# Altium PCB (Poly)TC364_MainBoard_PCB_V1.3.PcbDoc (continued)
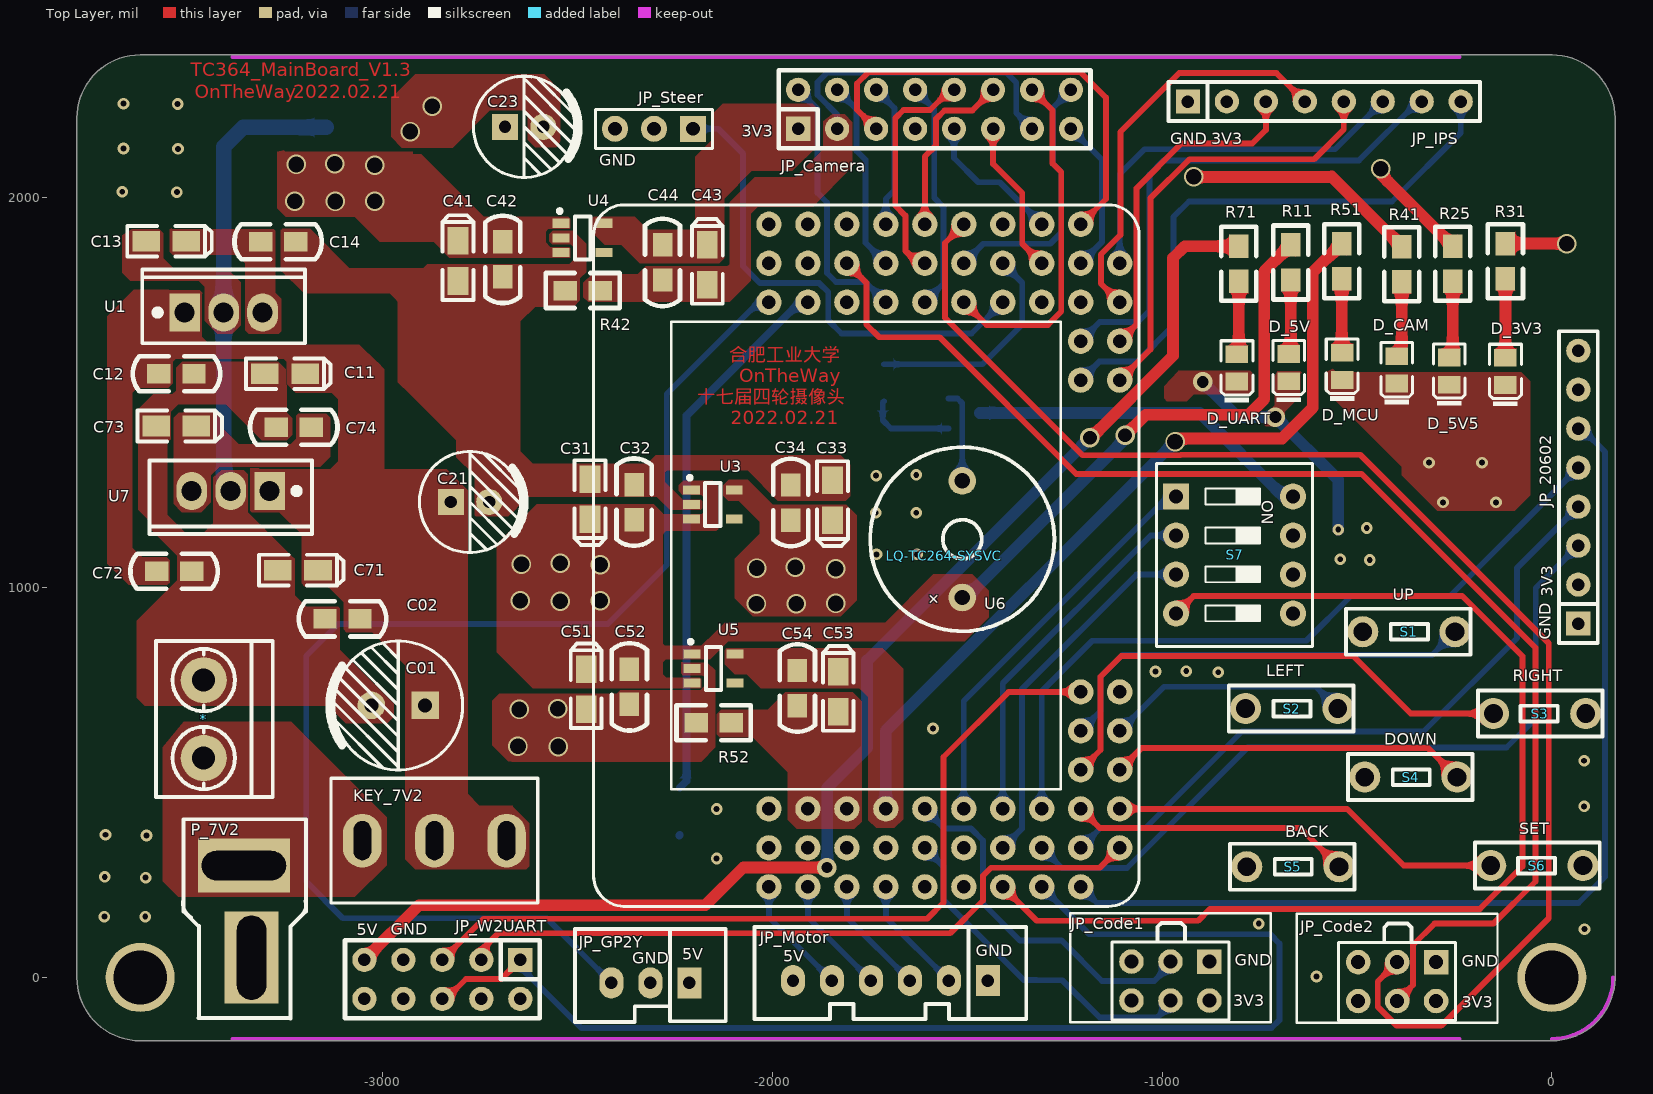
[diagram p0: Top Layer view]
## Nets (pads, with @x,y where several pads share a name; then routed paths per layer and width w, separated by ;. In a path a pad name is that pad's centre, name@x,y a point inside that pad or via, vN(x,y) a via of type N, cw(c..) or ccw(c..) an arc to the next point about the centre after c; other vN are vias at no path point)
AN44: JP_GP2Y.3 LQ-TC264-SYSVC.114 | length 3290.9
  Bottom Layer w15: JP_GP2Y.3 -2579,152 -3102,152 -3196,246 -3196,825 -3114,907 -2422.26,907 -2271,1058.26 -2271,1497 -2035.48,1732.52 LQ-TC264-SYSVC.114 LQ-TC264-SYSVC.114@-2007.74,1732.52
AN47: C03.1 LQ-TC264-SYSVC.111 R01.1 R02.2 | length 1395.8
  Bottom Layer w20: C03.1@-2238.74,364.52 C03.1 ; R02.2 -2220,504.26 -2220,1442 -1929.48,1732.52 LQ-TC264-SYSVC.111
GND: *.2 C01.2 C02.2 C03.2 C11.2 C12.2 C13.2 C14.2 C21.2 C22.2 C31.2 C32.2 C33.2 C34.2 C41.2 C42.2 C51.2 C52.2 C71.2 C72.2 C73.2 C74.2 D_3V3.K D_5V5.K D_5V.K D_CAM.K D_MCU.K D_UART.K JP_20602.1 JP_Code1.1 JP_Code2.1 JP_GP2Y.2 JP_IPS.1 JP_Motor.1 JP_W2UART.7 JP_W2UART.8 P_7V2.1 Q1.3 R02.1 R26.2 R42.2 R52.2 S1.2 S2.2 S3.2 S4.2 S5.2 S6.2 S7.5 S7.6 S7.7 S7.8 U1.2 U2.7 U2.8 U3.2 U4.2 U5.2 U7.2 | length 2646.7
  Bottom Layer w30: Q1.3 -903.52,1448.52 -689,1234 S7.8 ; v3(-896,1528) -806,1438 v3(-709,1438) -548,1277 v1(-548,1149)
  Bottom Layer w40: U7.2 -3408,1266 U1.2 -3408,2131 -3358,2181 R26.2
  other v1: -603.74,2.52 84,124 -752,138 -3714,156 -3609,156 -3608,256 -3713,258 -2143,305 -3606,364 -3711,366 -2143,432 83,439 83,556 -1587.74,638.52 -856,783 -1017,785 -938,786 -467,1071 -543,1073 -1732.74,1085.52 -1628.74,1085.52 -475,1153 -1734.74,1192.52 -1630.74,1192.52 -279,1219 -143,1219 -1733.74,1287.52 -1630.74,1289.52 -315,1321 -179,1321 -3528,2015 -3668,2016 -3525,2126 -3665,2127 -3526,2241 -3665,2242
  other v2: -2549.74,592.52 -2652.74,593.52 -2649.74,687.52 -2550.74,689.52
GNDCAM: C43.2 C44.2 JP_Camera.3 JP_Camera.13 R42.1 | length 806.6
  Bottom Layer w15: JP_Camera.3 -1833.74,2213.74 -1884,2264 -1884,2297 -1859,2322 -1400,2322 -1374.24,2296.24 -1374.24,2260.5 -1374,2260.26 -1374,2217.78 JP_Camera.13
GNDMCU: C53.2 C54.2 LQ-TC264-SYSVC.40 LQ-TC264-SYSVC.43 R52.1
GNDSteer: C23.2 C24.2 D21.1 JP_Steer.3 R23.2 R26.1
  other v2: -2928.74,2170.52 -2872.74,2235.52
NetD21_2: D21.2 L21.1 U2.5 U2.6
NetD_3V3_A: D_3V3.A R31.2 | length 203
  Top Layer w30: D_3V3.A R31.2
NetD_5V5_A: D_5V5.A R25.2 | length 198.6
  Top Layer w30: D_5V5.A -254,1600.08 R25.2
NetD_5V_A: D_5V.A R11.2 | length 191.6
  Top Layer w30: D_5V.A -670,1605 R11.2
NetD_CAM_A: D_CAM.A R41.2 | length 196.3
  Top Layer w30: D_CAM.A -385,1607.04 R41.2
NetD_MCU_A: D_MCU.A R51.2 | length 190.4
  Top Layer w30: R51.2 -539,1604 D_MCU.A
NetD_UART_A: D_UART.A R71.2 | length 189
  Top Layer w30: D_UART.A -803,1604.04 R71.2
NetKEY_7V2_1: *.1 KEY_7V2.1 P_7V2.2
NetQ1_1: Q1.1 R03.2 | length 227.9
  Bottom Layer w15: R03.2@-1713.74,1478.52 -1716.74,1475.52 -1716.74,1429.52 -1695.74,1408.52 Q1.1@-1547.74,1408.52
NetQ1_2: Q1.2 U6.2 | length 239.4
  Bottom Layer w15: Q1.2 -1524.74,1485.52 -1512.74,1473.52 U6.2
NetR21_1: R21.1 U2.2
NetR22_1: R22.1 U2.3
NetR23_1: R23.1 R24.2 U2.1
P00.0: JP_Camera.16 LQ-TC264-SYSVC.100 | length 677.1
  Bottom Layer w15: LQ-TC264-SYSVC.100 -1458.74,1882.52 -1286.74,1882.52 -1258.74,1910.52 -1258.74,2066.52 -1279.74,2087.52 -1279.74,2231.52 JP_Camera.16
P00.1: JP_Camera.14 LQ-TC264-SYSVC.99 | length 888.2
  Top Layer w15: LQ-TC264-SYSVC.99 -1450.74,1674.52 -1292.74,1674.52 -1258.74,1708.52 -1258.74,2066.52 -1280.74,2088.52 -1280.74,2224.52 JP_Camera.14
P00.2: JP_Camera.12 LQ-TC264-SYSVC.104 | length 459.5
  Top Layer w15: LQ-TC264-SYSVC.104 -1608.74,2106.52 -1579.74,2135.52 -1579.74,2203.24 -1558.46,2224.52 -1486.74,2224.52 JP_Camera.12
P00.3: JP_Camera.10 LQ-TC264-SYSVC.103 | length 595.2
  Top Layer w15: LQ-TC264-SYSVC.103 -1626.7,1832.52 -1658.74,1864.56 -1658.74,1954.71 -1684.74,1980.71 -1684.74,2204.52 -1663.74,2225.52 -1595.74,2225.52 -1543.74,2277.52 JP_Camera.10
P00.4: JP_Camera.8 LQ-TC264-SYSVC.102 | length 595.1
  Bottom Layer w15: JP_Camera.8 -1584.74,2228.52 -1584.74,2000.52 -1560.74,1976.52 -1560.74,1780.52 LQ-TC264-SYSVC.102
P00.5: JP_Camera.6 LQ-TC264-SYSVC.107 | length 373.6
  Bottom Layer w15: JP_Camera.6 -1686.74,2230.52 -1686.74,2019.52 -1708.74,1997.52 LQ-TC264-SYSVC.107
P00.6: JP_Camera.4 LQ-TC264-SYSVC.106 | length 496.8
  Bottom Layer w15: JP_Camera.4 -1783.74,2227.52 -1783.74,2120.52 -1761.26,2098.04 -1761.26,1885.04 LQ-TC264-SYSVC.106
P00.7: JP_Camera.2 LQ-TC264-SYSVC.105 | length 682.7
  Bottom Layer w15: JP_Camera.2 -1883.74,2227.52 -1883.74,2012.52 -1859.74,1988.52 -1859.74,1807.52 -1836.74,1784.52 -1760.74,1784.52 LQ-TC264-SYSVC.105
P00.9: JP_Code2.4 LQ-TC264-SYSVC.109 | length 3380.1
  Top Layer w15: LQ-TC264-SYSVC.109 -1758.74,1782.52 -1758.74,1675.52 -1725.74,1642.52 -1570.74,1642.52 -1220.22,1292 -488,1292 -42,846 -42,246 -150,138 -301,138 -355.93,83.07 -355.93,-19.63 JP_Code2.4
P02.0: JP_Camera.5 LQ-TC264-SYSVC.92 | length 1167
  Top Layer w15: JP_Camera.5 -1782.74,2226.52 -1782.74,2293.57 -1752.79,2323.52 -1209.74,2323.52 -1143.74,2257.52 -1143.74,1997.52 LQ-TC264-SYSVC.92
P02.1: JP_Camera.15 LQ-TC264-SYSVC.91 | length 400.9
  Bottom Layer w15: JP_Camera.15 -1153.74,2097.52 -1153.74,1887.52 LQ-TC264-SYSVC.91
P02.2: JP_Camera.9 LQ-TC264-SYSVC.95 | length 370.4
  Bottom Layer w15: JP_Camera.9 -1533.74,2102.52 -1471.74,2040.52 -1416.74,2040.52 LQ-TC264-SYSVC.95
P02.3: JP_Camera.11 LQ-TC264-SYSVC.94 | length 396.8
  Top Layer w15: JP_Camera.11 -1433.74,2087.52 -1358.74,2012.52 -1358.74,1882.52 LQ-TC264-SYSVC.94
P02.6: LQ-TC264-SYSVC.97 R03.1 | length 575
  Bottom Layer w15: R03.1 -1460.74,1573.52 -1358.74,1675.52 -1358.74,1782.52 LQ-TC264-SYSVC.97
P02.7: JP_Steer.1 LQ-TC264-SYSVC.96 | length 1257.1
  Bottom Layer w15: JP_Steer.1 -2138.74,2177.52 -2075.74,2114.52 -2075.74,1825.52 -2031.74,1781.52 -1879.74,1781.52 -1856.74,1758.52 -1856.74,1686.52 -1822.74,1652.52 -1488.74,1652.52 LQ-TC264-SYSVC.96
P02.8: JP_Code2.3 LQ-TC264-SYSVC.101 | length 3569.3
  Top Layer w15: LQ-TC264-SYSVC.101 -1556.74,1884.52 -1556.74,1692.52 -1204.24,1340.02 -952.45,1340.02 -951.47,1341 -491.22,1341 -8,857.78 -8,152 -284,-124 -398,-124 -446.5,-75.5 -446.5,-10.21 JP_Code2.3
P10.1: JP_IPS.6 LQ-TC264-SYSVC.89 | length 981
  Bottom Layer w15: LQ-TC264-SYSVC.89 -1108.74,2061.52 -1045.24,2125.02 -556.24,2125.02 JP_IPS.6
P10.2: JP_IPS.3 LQ-TC264-SYSVC.86 | length 876.9
  Top Layer w15: LQ-TC264-SYSVC.86 -1065.26,1676 -1065.26,2025 -950.74,2139.52 -768.74,2139.52 -733.74,2174.52 JP_IPS.3
P10.3: JP_IPS.4 LQ-TC264-SYSVC.88 | length 1043.6
  Top Layer w15: LQ-TC264-SYSVC.88 -1157,1780.78 -1157,1855 -1107,1905 -1107,2169.26 -955.74,2320.52 -706.74,2320.52 JP_IPS.4
P10.5: JP_IPS.7 LQ-TC264-SYSVC.87 | length 1334.2
  Bottom Layer w15: LQ-TC264-SYSVC.87 -1159.74,1681.52 -1061.74,1681.52 -1032,1711.26 -1032,2060.26 -995.76,2096.5 -494.5,2096.5 -343.48,2247.52 JP_IPS.7
P11.10: JP_IPS.5 LQ-TC264-SYSVC.84 | length 1140.6
  Top Layer w15: LQ-TC264-SYSVC.84 -1030,1611.26 -1030,1999.26 -929.74,2099.52 -609.74,2099.52 -533.74,2175.52 JP_IPS.5
P11.11: JP_IPS.8 LQ-TC264-SYSVC.85 | length 1481
  Bottom Layer w15: LQ-TC264-SYSVC.85 -1161.26,1580 -1064,1580 -971,1673 -971,1951 -931,1991 -410,1991 -233.74,2167.26 JP_IPS.8
P15.0: LQ-TC264-SYSVC.65 S3.1 | length 1351.1
  Top Layer w15: LQ-TC264-SYSVC.65 -1157.74,583.52 -1157.74,771.52 -1104.74,824.52 -509.56,824.52 -362.04,677 S3.1
P15.1: LQ-TC264-SYSVC.64 S4.1 | length 920.1
  Top Layer w15: LQ-TC264-SYSVC.64 -1052.26,589 -318.15,589 S4.1
P15.2: LQ-TC264-SYSVC.67 S1.1 | length 1117.5
  Bottom Layer w15: LQ-TC264-SYSVC.67 -1157.74,683.52 -1157.74,771.52 -1101.74,827.52 -307.63,827.52 S1.1
P15.3: LQ-TC264-SYSVC.66 S2.1 | length 608.5
  Bottom Layer w15: LQ-TC264-SYSVC.66 -995.26,746 -605,746 S2.1@-564.15,705.15
P15.4: LQ-TC264-SYSVC.63 S6.1 | length 1012.2
  Top Layer w15: LQ-TC264-SYSVC.63 -525.52,432.52 -380,287 S6.1
P15.5: LQ-TC264-SYSVC.61 S5.1 | length 724.3
  Top Layer w15: LQ-TC264-SYSVC.61 -1159.74,383.52 -645.52,383.52 S5.1
P15.6: JP_W2UART.3 LQ-TC264-SYSVC.62 | length 1808.8
  Top Layer w15: JP_W2UART.3 -2746.74,69.78 -2703,113.52 -1543.74,113.52 -1459.74,197.52 -1459.74,261 -1439.22,281.52 -1159.74,281.52 LQ-TC264-SYSVC.62
P15.7: JP_W2UART.5 LQ-TC264-SYSVC.69 | length 2141.3
  Top Layer w15: JP_W2UART.5 -2741.22,150.52 -1602.74,150.52 -1560.74,192.52 -1560.74,565.52 -1393.74,732.52 LQ-TC264-SYSVC.69
P20.0: JP_Code1.4 LQ-TC264-SYSVC.48 | length 884.5
  Bottom Layer w15: LQ-TC264-SYSVC.48 -1561.26,285.04 -1561.26,200.04 -1354.74,-6.48 -1322.27,-6.48 -1321.62,-7.13 -1255.87,-7.13 -1159.99,-103 -1012,-103 -978.57,-69.57 JP_Code1.4
P20.3: JP_Code1.3 LQ-TC264-SYSVC.49 | length 933.4
  Bottom Layer w15: LQ-TC264-SYSVC.49 -1558.74,382.52 -1490.74,382.52 -1459.74,351.52 -1459.74,189.52 -1364.97,94.75 -1257.74,94.75 -1154,-8.99 -1020.01,-8.99 -978.57,32.45 JP_Code1.3
P20.6: LQ-TC264-SYSVC.52 S7.1 | length 1039
  Bottom Layer w15: LQ-TC264-SYSVC.52 -1508.74,709.52 -984.26,1234 S7.1
P20.7: LQ-TC264-SYSVC.53 S7.4 | length 2938.4
  Top Layer w15: LQ-TC264-SYSVC.53 -1321.74,145.52 -907.48,145.52 -877,176 -184,176 -75,285 -75,824 -230,979 -919,979 S7.4
P20.8: LQ-TC264-SYSVC.54 S7.3 | length 945
  Bottom Layer w15: LQ-TC264-SYSVC.54 -1359.74,381.52 -1359.74,739.52 -1065.26,1034 S7.3
P20.9: LQ-TC264-SYSVC.55 S7.2 | length 923.9
  Bottom Layer w15: LQ-TC264-SYSVC.55 -1408.74,754.52 -1029.26,1134 S7.2
P20.10: JP_W2UART.1 JP_W2UART.6 LQ-TC264-SYSVC.56 | length 3147.6
  Top Layer w15: JP_W2UART.6 -2837,-55 -2786,-4 -2695.74,-4 JP_W2UART.1
  Bottom Layer w15: JP_W2UART.1 -2646.74,26.74 -2490,-130 -719,-130 -699,-110 -699,87 -722.78,110.78 -1187,110.78 LQ-TC264-SYSVC.56
P20.11: JP_20602.3 LQ-TC264-SYSVC.57 | length 1936.7
  Bottom Layer w15: LQ-TC264-SYSVC.57 -1256.74,280.52 -1089.95,280.52 -780.47,590 -116,590 -41,665 -41,999 JP_20602.3
P20.12: JP_20602.5 LQ-TC264-SYSVC.58 | length 1916.3
  Bottom Layer w15: LQ-TC264-SYSVC.58 -1308.74,734.52 -1179.26,864 -630,864 -515,979 -261,979 JP_20602.5
P20.13: JP_20602.6 LQ-TC264-SYSVC.59 | length 2573.7
  Bottom Layer w15: LQ-TC264-SYSVC.59 -1167,190.78 68.78,190.78 136.5,258.5 136.5,1348.5 77,1408 JP_20602.6
P20.14: JP_20602.4 LQ-TC264-SYSVC.60 | length 1744.8
  Bottom Layer w15: LQ-TC264-SYSVC.60 -1157.74,383.52 -1042.48,383.52 -794.98,631.02 -328.98,631.02 -89,871 -89,1051 JP_20602.4
P21.2: JP_Motor.5 LQ-TC264-SYSVC.35 | length 307.5
  Bottom Layer w15: LQ-TC264-SYSVC.35 -2008.74,153.74 JP_Motor.5
P21.3: JP_Motor.4 LQ-TC264-SYSVC.38 | length 308.7
  Bottom Layer w15: LQ-TC264-SYSVC.38@-1907.87,231.65 LQ-TC264-SYSVC.38 -1908.74,153.74 JP_Motor.4
P21.4: JP_Motor.3 LQ-TC264-SYSVC.41 | length 307.5
  Bottom Layer w15: LQ-TC264-SYSVC.41 -1808.74,153.74 JP_Motor.3
P21.5: JP_Motor.2 LQ-TC264-SYSVC.44 | length 307.5
  Bottom Layer w15: LQ-TC264-SYSVC.44 -1708.74,153.74 JP_Motor.2
VCC3V3: C33.1 C34.1 JP_20602.2 JP_Code1.2 JP_Code2.2 JP_IPS.2 R31.1 U3.5 | length 157
  Top Layer w30: R31.1 v2(38,1883)
  other v2: -2040.74,958.52 -1938.74,958.52 -1837.74,959.52 -1837.74,1048.52 -2039.74,1050.52 -1940.74,1052.52
VCC5V: C13.1 C14.1 C31.1 C32.1 C41.1 C42.1 C51.1 C52.1 JP_GP2Y.1 JP_Motor.6 R11.1 U1.3 U3.1 U3.3 U4.1 U4.3 U5.1 U5.3 U6.1 | length 1405.7
  Top Layer w30: v4(-1095,1391) -1042,1444 -778,1444 -738,1484 -738,1811.52 R11.1
  Bottom Layer w30: U6.1 -1502.35,974.91 v4@-1095,1382.26
  other v2: -2543.74,965.52 -2646.74,966.52 -2441.74,966.52 -2441.74,1058.52 -2643.74,1060.52 -2544.74,1062.52 -3122,1991 -3225,1992 -3020,1992 -3020,2084 -3222,2086 -3123,2088
VCCBAT: C01.1 C02.1 C11.1 C12.1 C21.1 C22.1 C71.1 C72.1 KEY_7V2.2 KEY_7V2.3 R01.2 R21.2 R22.2 U1.1 U2.4 U7.1
VCCCAM: C43.1 C44.1 JP_Camera.1 R41.1 U4.5 | length 609
  Top Layer w30: v2(-919,2054) -566,2054 -565,2055 R41.1
VCCMCU: C53.1 C54.1 LQ-TC264-SYSVC.46 R51.1 U5.5 | length 2079
  Top Layer w30: v2@-958.26,1383 -692,1383 -613,1462 -613,1809 R51.1
  Bottom Layer w30: LQ-TC264-SYSVC.46 -1708.74,632.52 v2(-966.74,1374.52)
VCCSteer: C23.1 C24.1 JP_Steer.2 L21.2 R24.1 R25.1 | length 275.6
  Top Layer w30: v2(-439,2075) -439,2061 R25.1
VCCUART: C73.1 C74.1 JP_W2UART.9 R71.1 U7.3 | length 3400.7
  Top Layer w30: JP_W2UART.9 -2906.74,185 -2172,185 -2074,283 -2073,282 v5(-1860,282) ; v4(-1185,1385) -1182,1385 -972,1595 -972,1846 -942,1876 R71.1
  Bottom Layer w30: v5(-1860,282) -1859.26,282.74 -1859.26,486.74 -1757,589 -1757,813 v4(-1185,1385)
pads on no net: JP_20602.7 JP_20602.8 JP_Camera.7 JP_Code1.5 JP_Code1.6 JP_Code2.5 JP_Code2.6 JP_W2UART.2 JP_W2UART.4 JP_W2UART.10 LQ-TC264-SYSVC.36 LQ-TC264-SYSVC.37 LQ-TC264-SYSVC.39 LQ-TC264-SYSVC.42 LQ-TC264-SYSVC.45 LQ-TC264-SYSVC.47 LQ-TC264-SYSVC.50 LQ-TC264-SYSVC.51 LQ-TC264-SYSVC.68 LQ-TC264-SYSVC.90 LQ-TC264-SYSVC.93 LQ-TC264-SYSVC.98 LQ-TC264-SYSVC.108 LQ-TC264-SYSVC.110 LQ-TC264-SYSVC.112 LQ-TC264-SYSVC.113 LQ-TC264-SYSVC.115 LQ-TC264-SYSVC.116 U3.4 U4.4 U5.4

## Polygon pours and split planes (outlines as drawn)
GND on Top Layer "GND_L01_P212" (solid, remove dead copper, pour order 212): -3515,1579 -3514,1580 -3268,1580 -3246,1558 -3246,1449 -3232,1435 -3232,1392 -3246,1378 -3310,1378 -3403,1471 -3525,1471 -3544,1452 -3544,1381 -3552,1373 -3552,1187 -3497,1132 -3447,1132 -3410,1095 -3410,1036 -3445,1001 -3509,1001 -3527,1019 -3527,1082 -3593,1148 -3593,1166 -3627,1200 -3627,1458 -3589,1496 -3540,1496 -3530,1506 -3530,1565
VCC5V on Top Layer "VCC5V_L01_P204" (solid, remove dead copper, pour order 204): -3254,2122 -3250,2118 -2923,2118 -2923,2112 -2901,2112 -2741,1952 -2524,1952 -2519,1947 -2519,1922 -2520,1921 -2575,1921 -2582,1914 -2582,1886 -2570,1874 -2521,1874 -2518,1871 -2518,1848 -2519,1847 -2828.88,1847 -2869.4,1887.52 -3007.52,1887.52 -3072,1952 -3249,1952 -3271,1974 -3271,2119
VCCBAT on Top Layer "VCCBAT_L01_P168" (solid, remove dead copper, pour order 168): -3629,1513 -3550,1513 -3539,1524 -3540,1525 -3540,1579 -3531,1588 -3254,1588 -3246,1580 -3246,1578 -3229,1561 -2996,1561 -3013,1578 -3014,1578 -3060,1624 -3444,1624 -3464,1644 -3623,1644
GND on Top Layer "GND_L01_P164" (solid, remove dead copper, pour order 164): -562,1562 -553,1553 -78,1553 -55,1530 -55,1237 -95,1197 -294,1197 -385,1288 -385,1311 -582,1508 -582,1551
GND on Top Layer "GND_L01_P162" (solid, remove dead copper, pour order 162): -704,1555 -703,1556 -645,1556 -641,1552 -645,1548 -645,1491 -685,1451 -685,1432 -703,1414 -733.74,1414 -739,1419.26 -739,1440 -711,1468 -711,1543
GND on Top Layer "GND_L01_P160" (solid, remove dead copper, pour order 160): -959,1556 -958,1557 -774,1557 -768,1551 -768,1508 -779,1497 -919,1497 -937,1479 -988,1479 -995,1486 -995,1517
no net on Top Layer "NONET_L01_P004" (solid, remove dead copper, pour order 4): -2875.74,397.52
no net on Top Layer "NONET_L01_P014" (solid, remove dead copper, pour order 14): -2975.74,1345.52
GND on Top Layer "GND_L01_P020" (solid, remove dead copper, pour order 20): -2960.74,1527.52 -2934.74,1501.52 -2863.74,1501.52 -2722.74,1360.52 -2722.74,1213.52 -2704.74,1195.52 -2664.74,1195.52 -2646.74,1213.52 -2646.74,1683.52 -2608.74,1721.52 -2509.74,1721.52 -2493.74,1737.52 -2493.74,1813.52 -2510.74,1830.52 -2885.74,1830.52 -2960.74,1755.52
GND on Top Layer "GND_L01_P022" (solid, remove dead copper, pour order 22): -2477.74,1882.52 -2477.74,1809.52 -2493.74,1793.52 -2501.74,1793.52 -2501.74,1804.52 -2520.74,1823.52 -2520.74,1830.52 -2510.74,1840.52 -2510.74,1874.52 -2517.74,1881.52 -2564.74,1881.52 -2572.74,1889.52 -2572.74,1906.52 -2563.74,1915.52 -2510.74,1915.52
GNDCAM on Top Layer "GNDCAM_L01_P034" (solid, remove dead copper, pour order 34): -1846.74,2214.52 -1814.74,2214.52 -1794.74,2194.52 -1794.74,2079.52 -1896.74,1977.52 -2037.74,1977.52 -2055.74,1959.52 -2055.74,1787.52 -2109.74,1733.52 -2472.74,1733.52 -2484.74,1745.52 -2484.74,1782.52 -2462.74,1804.52 -2344.74,1804.52 -2324.74,1824.52 -2115.74,1824.52 -2109.74,1830.52 -2109.74,1989.52 -2045.74,2053.52 -1941.74,2053.52 -1869.74,2125.52 -1869.74,2196.52
VCCCAM on Top Layer "VCCCAM_L01_P038" (solid, remove dead copper, pour order 38): -2429.74,1880.52 -2387.74,1880.52 -2339.74,1832.52 -2136.74,1832.52 -2123.74,1845.52 -2123.74,1918.52 -2319.74,1918.52 -2352.74,1951.52 -2458.74,1951.52 -2466.74,1943.52 -2466.74,1917.52
no net on Top Layer "NONET_L01_P040" (solid, remove dead copper, pour order 40): -2221.74,1918.52
VCCCAM on Top Layer "VCCCAM_L01_P042" (solid, remove dead copper, pour order 42): -2237.74,1886.52 -2197.74,1926.52 -2197.74,2105.52 -2148.74,2154.52 -2148.74,2219.52 -2126.74,2241.52 -1895.74,2241.52 -1882.74,2228.52 -1882.74,2135.52 -1948.74,2069.52 -2052.74,2069.52 -2123.74,1998.52 -2123.74,1886.52
GND on Top Layer "GND_L01_P048" (solid, remove dead copper, pour order 48): -2646.74,1213.52 -2626.74,1233.52 -2296.74,1233.52 -2263.74,1200.52 -2183.74,1200.52 -2179.74,1204.52 -2179.74,1221.52 -2183.74,1225.52 -2229.74,1225.52 -2321.74,1317.52 -2614.74,1317.52 -2657.74,1360.52 -2722.74,1360.52 -2722.74,1213.52
VCC5V on Top Layer "VCC5V_L01_P054" (solid, remove dead copper, pour order 54): -2281.74,1190.52 -2279.74,1188.52 -2180.74,1188.52 -2171.74,1197.52 -2171.74,1231.52 -2175.74,1231.52 -2182.74,1238.52 -2230.74,1238.52 -2240.74,1248.52 -2240.74,1262.52 -2228.74,1274.52 -2152.74,1274.52 -2138.74,1260.52 -2138.74,1150.52 -2143.74,1145.52 -2271.74,1145.52 -2286.74,1130.52 -2293.24,1137.02 -2293.24,1202.02
GND on Top Layer "GND_L01_P056" (solid, remove dead copper, pour order 56): -2275.74,1295.52 -2269.74,1301.52 -2063.74,1301.52 -1985.74,1223.52 -1811.74,1223.52 -1800.74,1234.52 -1800.74,1315.52 -1824.74,1339.52 -2299.74,1339.52 -2333.74,1305.52 -2333.74,1251.52 -2276.74,1251.52 -2275.74,1250.52
VCC5V on Top Layer "VCC5V_L01_P078" (solid, remove dead copper, pour order 78): -2295.74,751.52 -2285.74,741.52 -2184.74,741.52 -2182.74,743.52 -2182.74,766.52 -2185.74,769.52 -2272.74,769.52 -2287.74,784.52 -2287.74,802.52 -2273.74,816.52 -2178.74,816.52 -2172.74,822.52 -2172.74,842.52 -2181.74,851.52 -2275.74,851.52 -2286.74,862.52 -2301.74,862.52
VCC5V on Top Layer "VCC5V_L01_P080" (solid, remove dead copper, pour order 80): -2178.74,816.52 -2159.74,816.52 -2132.74,843.52 -2113.74,862.52 -1506.74,862.52 -1444.74,924.52 -1444.74,992.52 -1486.74,1034.52 -1586.74,1034.52 -1710.74,910.52 -2122.74,910.52 -2205.74,827.52 -2205.74,819.52
VCCMCU on Top Layer "VCCMCU_L01_P082" (solid, remove dead copper, pour order 82): -1664.74,792.52 -1664.74,406.52 -1687.74,383.52 -1733.74,383.52 -1753.74,403.52 -1753.74,718.52 -1776.74,741.52 -2029.74,741.52 -2065.74,777.52 -2096.74,777.52 -2122.74,803.52 -2122.74,839.52 -2117.74,844.52 -1716.74,844.52
GNDSteer on Top Layer "GNDSTEER_L01_P110" (solid, remove dead copper, pour order 110): -2543.74,2145.34 -2543.74,2275.52 -2585.74,2317.52 -2915.74,2317.52 -2977.74,2255.52 -2977.74,2156.52 -2950.74,2129.52 -2819.74,2129.52 -2724.74,2224.52 -2641.74,2224.52 -2627.74,2210.52 -2627.74,2149.52 -2608.74,2130.52 -2554.26,2130.52
VCC3V3 on Top Layer "VCC3V3_L01_P058" (solid, remove dead copper, pour order 58): -2125.74,1262.52 -2125.74,1235.52 -2112.74,1222.52 -2085.74,1222.52 -1992.74,1129.52 -1811.74,1129.52 -1803.74,1137.52 -1803.74,1205.52 -1810.74,1212.52 -1998.74,1212.52 -2062.74,1276.52 -2111.74,1276.52
VCC3V3 on Top Layer "VCC3V3_L01_P072" (solid, remove dead copper, pour order 72): -2032.74,1167.52 -2032.74,1138.52 -2096.74,1074.52 -2096.74,972.52 -2050.74,926.52 -1824.74,926.52 -1783.74,967.52 -1783.74,1185.52 -1810.74,1212.52 -2022.74,1212.52 -2033.74,1201.52
VCC5V on Top Layer "VCC5V_L01_P046" (solid, remove dead copper, pour order 46): -2532.74,1213.52 -2304.74,1213.52 -2281.74,1190.52 -2281.74,745.52 -2285.74,741.52 -2614.74,741.52 -2707.74,834.52 -2707.74,1111.52 -2604.7,1214.56
NetKEY_7V2_1 on Top Layer "NETKEY_7V2_1_L01_P116" (solid, remove dead copper, pour order 116): -3510,656 -3235,656 -2990,411 -2990,288 -3071,207 -3524,207 -3564,247 -3564,591
GND on Top Layer "GND_L01_P118" (solid, remove dead copper, pour order 118): -3519,1084 -3516,1081 -3233,1081 -3226,1074 -3226,981 -3196,951 -3114,951 -3110,947 -3110,841 -2971,702 -2971,669 -2988,652 -3094,652 -3139.52,697.52 -3610.52,697.52 -3631,718 -3631,915 -3527,1019 -3527,1079
VCCBAT on Top Layer "VCCBAT_L01_P120" (solid, remove dead copper, pour order 120): -3318,1307 -3315,1304 -2836,1304 -2782,1250 -2782,471 -2752,441 -2666,441 -2666,438 -2624,396 -2624,285 -2632,277 -2916,277 -2942,303 -2942,801 -3027,886 -3093,886 -3100,893 -3100,963 -3141,1004 -3201,1004 -3208,1011 -3208,1137 -3265,1194 -3336,1194 -3340,1198 -3340,1306 -3339,1307
VCCUART on Top Layer "VCCUART_L01_P122" (solid, remove dead copper, pour order 122): -3513,1449 -3512,1450 -3420,1450 -3414,1444 -3414,1413 -3369,1368 -3236,1368 -3222,1382 -3222,1441 -3217,1446 -3145,1446 -3135,1436 -3135,1336 -3160,1311 -3418,1311 -3441,1288 -3441,1219 -3466,1194 -3515,1194 -3536,1215 -3536,1436 -3523,1449
GND on Top Layer "GND_L01_P124" (solid, remove dead copper, pour order 124): -3414,1301 -3356,1301 -3346,1291 -3346,1194 -3233,1081 -3233,1008 -3244,1019 -3527,1019 -3527,1076 -3519,1084 -3512,1084 -3512,1087 -3434,1165 -3434,1283 -3423,1294
VCCBAT on Top Layer "VCCBAT_L01_P132" (solid, remove dead copper, pour order 132): -3549,1763 -3469,1763 -3462,1756 -3464,1754 -3464,1644 -3469,1639 -3525,1639 -3539,1625 -3539,1524 -3550,1513 -3629,1513 -3642,1500 -3642,1103 -3617,1078 -3554,1078 -3546,1070 -3546,1013 -3552,1007 -3651,1007 -3706,1062 -3706,1697 -3639,1764 -3549,1764
VCCBAT on Top Layer "VCCBAT_L01_P136" (solid, remove dead copper, pour order 136): -3234,1582 -3230,1578 -3013,1578 -2996,1561 -2996,1248 -2999,1248 -3046,1201 -3304,1201 -3304,1229 -3337,1262 -3327,1272 -3327,1276 -3162,1276 -3114,1324 -3114,1483 -3131,1500 -3223,1500 -3246,1523 -3246,1582
VCC5V on Top Layer "VCC5V_L01_P140" (solid, remove dead copper, pour order 140): -3542,1922 -3540,1920 -3280,1920 -3276,1916 -3276,1757 -3260,1741 -3260,1658 -3267,1651 -3343,1651 -3353,1661 -3353,1832 -3375,1854 -3538,1854 -3546,1862 -3546,1920 -3544,1922
GND on Top Layer "GND_L01_P146" (solid, remove dead copper, pour order 146): -2960.74,1527.52 -2934.74,1501.52 -2934.52,1501.52 -2811,1378 -2811,1335 -2764,1288 -2764,1186 -2761,1183 -2677.26,1183 -2664.74,1195.52 -2676,1206.78 -2676,1454 -2798,1576
GND on Top Layer "GND_L01_P148" (solid, remove dead copper, pour order 148): -3258,1920 -3257,1921 -3186,1921 -3085,1820 -2766,1820 -2754,1808 -2754,1720 -2947,1720 -2982,1755 -3201,1755 -3261,1815 -3261,1918
GNDMCU on Top Layer "GNDMCU_L01_P174" (solid, remove dead copper, pour order 174): -2131,687 -2012,687 -1967,732 -1794,732 -1771,709 -1771,400 -1790,381 -1938,381 -1961,404 -1961,527 -2050,616 -2135,616 -2143,624 -2143,675
GND on Top Layer "GND_L01_P176" (solid, remove dead copper, pour order 176): -2228,809 -2227,808 -2167,808 -2147,788 -2147,590 -2183,554 -2669,554 -2670,555 -2678,555 -2719,596 -2719,710 -2701,728 -2399.52,728 -2390.52,737 -2185,737 -2176,746 -2175,746 -2175,771 -2180,776 -2230,776 -2234,780 -2234,809
GND on Top Layer "GND_L01_P180" (solid, remove dead copper, pour order 180): -3644,1920 -3573,1920 -3563,1910 -3563,1844 -3561,1844 -3529,1812 -3392,1812 -3364,1784 -3364,1674 -3386,1652 -3424,1652 -3457,1685 -3456,1686 -3456,1772 -3472,1788 -3648,1788 -3668,1808 -3668,1904
VCCBAT on Bottom Layer "VCCBAT_L04_P214" (solid, remove dead copper, pour order 214): -2841,1754 -2568,1754 -2555,1741 -2534,1741 -2522,1729 -2522,1698 -2533,1687 -2590,1687 -2619,1716 -2724,1716 -2736,1704 -2736,1340 -2782,1294 -2782,1186 -2791,1177 -2859,1177 -2874,1192 -2874,1740
VCCSteer on Bottom Layer "VCCSTEER_L04_P060" (solid, remove dead copper, pour order 60): -2686.74,2307.52 -2816.74,2177.52 -2816.74,1898.52 -2804.74,1886.52 -2755.74,1886.52 -2744.74,1897.52 -2744.74,2075.52 -2729.74,2090.52 -2658.74,2090.52 -2639.74,2109.52 -2639.74,2272.52 -2674.74,2307.52
VCCSteer on Bottom Layer "VCCSTEER_L04_P062" (solid, remove dead copper, pour order 62): -2685.74,2307.52 -2337.74,2307.52 -2258.74,2228.52 -2258.74,2147.52 -2280.74,2125.52 -2324.74,2125.52 -2350.74,2151.52 -2350.74,2210.52 -2368.74,2228.52 -2624.74,2228.52 -2645.74,2207.52 -2645.74,2194.52 -2663.74,2194.52 -2685.74,2216.52
GND on Bottom Layer "GND_L04_P086" (solid, remove dead copper, pour order 86): -2724.74,1518.52 -2724.74,1219.52 -2684.74,1179.52 -2583.74,1179.52 -2299.74,1463.52 -2299.74,1609.52 -2320.74,1630.52 -2403.74,1630.52 -2447.74,1586.52 -2447.74,1525.52 -2629.74,1525.52 -2717.74,1525.52
NetD21_2 on Bottom Layer "NETD21_2_L04_P088" (solid, remove dead copper, pour order 88): -2638.74,2012.52 -2638.74,1889.52 -2609.74,1860.52 -2535.74,1860.52 -2406.74,1731.52 -2406.74,1645.52 -2399.74,1638.52 -2303.74,1638.52 -2280.74,1661.52 -2141.74,1661.52 -2128.74,1674.52 -2128.74,1741.52 -2152.74,1765.52 -2349.74,1765.52 -2450.74,1866.52 -2450.74,1958.52 -2525.74,2033.52 -2617.74,2033.52
GNDSteer on Bottom Layer "GNDSTEER_L04_P092" (solid, remove dead copper, pour order 92): -2658.83,2008.43 -2649.74,2017.52 -2610.74,2056.52 -2435.74,2056.52 -2361.74,2130.52 -2361.74,2192.52 -2386.74,2217.52 -2608.74,2217.52 -2627.74,2198.52 -2627.74,2100.52 -2656.74,2071.52 -2727.74,2071.52 -2733.74,2065.52 -2733.74,2012.52 -2729.65,2008.43
NetR23_1 on Bottom Layer "NETR23_1_L04_P094" (solid, remove dead copper, pour order 94): -2711.74,1964.52 -2728.74,1947.52 -2728.74,1811.52 -2709.74,1792.52 -2569.74,1792.52 -2509.74,1732.52 -2509.74,1592.52 -2510.74,1592.52 -2527.74,1575.52 -2599.74,1575.52 -2607.74,1567.52 -2607.74,1541.52 -2601.74,1535.52 -2500.74,1535.52 -2470.74,1565.52 -2470.74,1768.52 -2541.74,1839.52 -2617.74,1839.52 -2654.74,1876.52 -2654.74,1953.52 -2655.74,1953.52 -2666.74,1964.52
no net on Bottom Layer "NONET_L04_P096" (solid, remove dead copper, pour order 96): -2738.74,1748.52
NetR22_1 on Bottom Layer "NETR22_1_L04_P100" (solid, remove dead copper, pour order 100): -2722.74,1709.52 -2661.74,1709.52 -2625.74,1673.52 -2532.74,1673.52 -2523.74,1664.52 -2523.74,1647.52 -2532.74,1638.52 -2716.74,1638.52 -2722.74,1644.52
NetR21_1 on Bottom Layer "NETR21_1_L04_P102" (solid, remove dead copper, pour order 102): -2722.74,1535.52 -2653.74,1535.52 -2644.74,1544.52 -2644.74,1572.52 -2629.74,1587.52 -2528.74,1587.52 -2523.74,1592.52 -2523.74,1616.52 -2529.74,1622.52 -2708.74,1622.52 -2722.74,1608.52
no net on Bottom Layer "NONET_L04_P104" (solid, remove dead copper, pour order 104): -2503.74,2069.52
GNDSteer on Bottom Layer "GNDSTEER_L04_P106" (solid, remove dead copper, pour order 106): -2521.74,2065.52 -2441.74,1985.52 -2441.74,1872.52 -2348.74,1779.52 -2153.74,1779.52 -2135.74,1797.52 -2136.74,1798.52 -2136.74,1872.52 -2158.74,1894.52 -2250.74,1894.52 -2279.74,1865.52 -2387.74,1865.52 -2393.74,1871.52 -2393.74,2105.29
VCCSteer on Bottom Layer "VCCSTEER_L04_P108" (solid, remove dead copper, pour order 108): -2350.74,2183.52 -2350.74,2124.52 -2385.74,2089.52 -2385.74,1873.52 -2287.74,1873.52 -2258.74,1902.52 -2258.74,2179.52
VCCBAT on Bottom Layer "VCCBAT_L04_P150" (solid, remove dead copper, pour order 150): -2593,425 -2450,282 -2295,282 -2291,278 -2291,230 -2297,224 -2698,224 -2744,270 -2744,412 -2731,425
GND on Bottom Layer "GND_L04_P152" (solid, remove dead copper, pour order 152): -3048,738 -3044,734 -2983,734 -2967,718 -2967,582 -2903,518 -2297,518 -2292,513 -2292,335.52 -2295,332.52 -2296.48,334 -2365,334 -2476,445 -2978,445 -3074,541 -3074,736 -3076,738
GNDSteer on Bottom Layer "GNDSTEER_L04_P156" (solid, remove dead copper, pour order 156): -2836,2276 -2828,2268 -2828,2187 -2907,2108 -2907,1899 -2882,1874 -2750,1874 -2745,1869 -2745,1818 -2753,1810 -2915,1810 -2958,1853 -2958,2122 -2988,2152 -3086,2152 -3091,2157 -3091,2268 -3083,2276 -3065,2276
AN47 on Bottom Layer "AN47_L04_P178" (solid, remove dead copper, pour order 178): -2270,518 -2206,518 -2197,509 -2197,230 -2208,219 -2276,219 -2281,224 -2281,508
GNDCAM on GND02 (split plane): -1093.05,2138.71 -1092.66,2136.76 -1091.56,2135.11 -1090.96,2134.71 -1091.1,2134 -1090.71,2132.05 -1089.6,2130.4 -872.6,1913.4 -870.95,1912.29 -869,1911.9 -679.11,1911.9 -323.6,1556.4 -321.95,1555.29 -320,1554.9 -233.11,1554.9 -210.1,1531.89 -210.1,1480.11 -259.59,1430.62 -2238.63,1430.62 -2471.9,1663.89 -2471.9,2240.26 -2471.9,2347.12 -1093.05,2347.12
GND on GND02 (split plane): 154 vertices, not listed, extent -3764.51,-142.46 142.41,2347.19
VCCSteer on POW03 (split plane): -2258.84,2118.52 -2258.45,2116.57 -2257.35,2114.91 -2156.35,2013.91 -2154.69,2012.81 -2152.74,2012.42 -904.48,2012.42 -902.53,2012.81 -900.88,2013.91 -876.4,2038.4 -875.29,2040.05 -874.9,2042 -874.9,2178.9 -399.11,2178.9 -344.1,2123.89 -344.1,1894.11 -370.11,1868.1 -2735.89,1868.1 -2873.9,2006.11 -2873.9,2053.89 -2809.4,2118.4 -2808.29,2120.05 -2807.9,2122 -2807.9,2347.12 -2258.84,2347.12
VCCCAM on POW03 (split plane): -885.1,2044.11 -906.59,2022.62 -2150.63,2022.62 -2248.64,2120.63 -2248.64,2347.12 -885.1,2347.12
VCC3V3 on POW03 (split plane): 10.16,2346.85 20.28,2345.76 30.29,2343.95 40.14,2341.44 49.79,2338.23 59.19,2334.33 68.29,2329.78 77.03,2324.59 85.39,2318.79 93.31,2312.41 100.75,2305.48 107.68,2298.03 114.07,2290.11 119.87,2281.76 125.06,2273.01 129.61,2263.92 133.5,2254.52 136.71,2244.87 139.23,2235.01 141.04,2225 142.12,2214.89 142.38,2207.69 141.15,2204.72 142.38,2204.72 142.28,2203.62 142.38,2202.52 141.15,2202.52 142.4,2199.51 142.4,-0.78 141.77,-0.72 141.15,-2.2 142.4,-2.2 142.41,-2.33 142.41,-2.34 142.4,-2.34 142.4,-2.45 142.38,-2.67 142.39,-2.78 142.12,-10.16 141.04,-20.28 139.23,-30.29 136.71,-40.14 133.5,-49.79 129.61,-59.19 125.06,-68.29 119.87,-77.03 114.07,-85.39 107.68,-93.31 100.75,-100.75 93.31,-107.68 85.39,-114.07 77.03,-119.87 68.29,-125.06 59.19,-129.61 49.79,-133.5 40.14,-136.71 30.29,-139.23 20.28,-141.04 10.16,-142.12 2.96,-142.38 0,-141.15 0,-142.32 -1.5,-142.17 -3,-142.32 -3,-141.15 -6.01,-142.4 -1280.9,-142.4 -1280.9,70 -1281.29,71.95 -1282.4,73.6 -2116.9,908.11 -2116.9,1621 -2117.29,1622.95 -2118.4,1624.6 -2351.69,1857.9 -368,1857.9 -366.05,1858.29 -364.4,1859.4 -335.4,1888.4 -334.29,1890.05 -333.9,1892 -333.9,2126 -334.29,2127.95 -335.4,2129.6 -393.4,2187.6 -395.05,2188.71 -397,2189.1 -874.9,2189.1 -874.9,2347.12 -0.17,2347.12 -0.18,2345.95 0,2345.88 0,2347.12 0.03,2347.13 0.06,2347.12 0.69,2347.19
VCC5V on POW03 (split plane): -3622.05,2347.12 -2818.1,2347.12 -2818.1,2124.11 -2882.6,2059.6 -2883.71,2057.95 -2884.1,2056 -2884.1,2004 -2883.71,2002.05 -2882.6,2000.4 -2741.6,1859.4 -2739.95,1858.29 -2738,1857.9 -2366.11,1857.9 -2127.1,1618.89 -2127.1,906 -2126.71,904.05 -2125.6,902.4 -1291.1,67.89 -1291.1,-142.4 -2566.9,-142.4 -2566.9,435 -2567.29,436.95 -2568.4,438.6 -2755.9,626.11 -2755.9,1253 -2756.29,1254.95 -2757.4,1256.6 -2977.4,1476.6 -2979.05,1477.71 -2981,1478.1 -3764.45,1478.1 -3764.45,2204.72 -3764.51,2205.38 -3764.17,2214.89 -3763.08,2225 -3761.28,2235.01 -3758.76,2244.87 -3755.55,2254.52 -3751.66,2263.92 -3747.1,2273.01 -3741.91,2281.76 -3736.11,2290.11 -3729.73,2298.03 -3722.8,2305.48 -3715.36,2312.41 -3707.44,2318.79 -3699.08,2324.59 -3690.33,2329.78 -3681.24,2334.33 -3671.84,2338.23 -3662.19,2341.44 -3652.34,2343.95 -3642.33,2345.76 -3632.21,2346.85 -3622.7,2347.19
VCCUART on POW03 (split plane): -2766.1,1250.89 -2766.1,624 -2765.71,622.05 -2764.6,620.4 -2577.1,432.89 -2577.1,-142.4 -3622.05,-142.4 -3622.7,-142.46 -3632.21,-142.12 -3642.33,-141.04 -3652.33,-139.23 -3662.19,-136.71 -3671.84,-133.5 -3681.24,-129.61 -3690.33,-125.06 -3699.08,-119.87 -3707.44,-114.07 -3715.36,-107.68 -3722.8,-100.75 -3729.73,-93.31 -3736.11,-85.39 -3741.91,-77.03 -3747.1,-68.29 -3751.66,-59.19 -3755.55,-49.79 -3758.76,-40.14 -3761.28,-30.29 -3763.08,-20.28 -3764.17,-10.16 -3764.51,-0.65 -3764.45,0 -3764.45,1467.9 -2983.11,1467.9

## Keep-outs
Keep-Out Layer:
  lines w10: -3385.83,-157.48 -236.22,-157.48 ; -3385.83,2362.2 -236.22,2362.2 ; 0,-157.48 ccw(c0,0) 157.48,0

## Other copper
Top Layer:
  text "TC364_MainBoard_V1.3" at -3492,2301 h60
  text "OnTheWay" at -3482,2245 h60
  text "2022.02.21" at -3229,2245 h60
  text "合肥工业大学" at -2110,1569 h60
  text "OnTheWay" at -2085,1516 h60
  text "十七届四轮摄像头" at -2193,1462 h60
  text "2022.02.21" at -2107,1408 h60
GND02 (plane layer: these items are gaps in the copper):
  lines w10: -2480,2366 -2477,2363 -2477,2240.26 -2477,1661.78 -2240.74,1425.52 -1168.74,1425.52 -257.48,1425.52 -205,1478 -205,1534 -231,1560 -320,1560 -677,1917 -869,1917 -1086,2134 ; -1087.95,2138.71 -1087.95,2362.05 -1083,2367
POW03 (plane layer: these items are gaps in the copper):
  lines w10: -3783,1473 -2981,1473 -2761,1253 -2761,624 -2572,435 -2572,-153 ; -2812,2361 -2813,2360 -2813,2122 -2879,2056 -2879,2004 -2738,1863 -2091,1863 -368,1863 -339,1892 -339,2126 -397,2184 -878.57,2184 ; -2364,1863 -2122,1621 -2122,906 -1286,70 -1286,-157 ; -2253.74,2364.52 -2253.74,2118.52 -2152.74,2017.52 -926.74,2017.52 -904.48,2017.52 -880,2042 -880,2367.22

## Silkscreen, mask and mechanical layers (free items; w line width, h text height)
Top Overlay:
  lines w6: -1236,-115 -721,-115 -721,165 -1236,165 -1236,-115 ; -654.35,-116.37 -654.35,163.63 -139.35,163.63 -139.35,-116.37 -654.35,-116.37
  lines w10: -1011.63,95 -1011.63,130 -1001.63,140 -951.63,140 -941.63,130 -941.63,95 ; -429.98,93.63 -429.98,128.63 -419.98,138.63 -369.98,138.63 -359.98,128.63 -359.98,93.63
  text "3V3" at -2078.74,2157.52 h30
  text "GND" at -978.74,2137.52 h30
  text "3V3" at -873.74,2137.52 h30
  text "GND" at -2443.74,2082.52 h30
  text "3V3" at 3,977 h30 r90
  text "UP" at -408,968 h30
  text "GND" at -3,867 h30 r90
  text "LEFT" at -733,773 h30
  text "RIGHT" at -100,760 h30
  text "DOWN" at -430,597 h30
  text "SET" at -84,367 h30
  text "BACK" at -684,360 h30
  text "GND" at -2979,110 h30
  text "5V" at -3067,108 h30
  text "GND" at -1478,54 h30
  text "5V" at -2231,46 h30
  text "5V" at -1972,40.74 h30
  text "GND" at -2359,35 h30
  text "GND" at -813,30 h30
  text "GND" at -230.74,27.52 h30
  text "3V3" at -817,-74 h30
  text "3V3" at -230.74,-77.48 h30
Top Solder:
  text "TC364_MainBoard_V1.3" at -3492,2301 h60
  text "OnTheWay" at -3482,2245 h60
  text "2022.02.21" at -3229,2245 h60
  text "合肥工业大学" at -2110,1569 h60
  text "OnTheWay" at -2085,1516 h60
  text "十七届四轮摄像头" at -2193,1462 h60
  text "2022.02.21" at -2107,1408 h60
Mechanical 1:
  lines w10: -3,-157.48 -3622.05,-157.48 cw(c-3622.05,0) -3779.53,0 -3779.53,2204.72 cw(c-3622.05,2204.72) -3622.05,2362.2 0,2362.2 cw(c0,2204.72) 157.48,2204.72 ; 157.48,-2.2 157.48,2202.52

## Dimensions
-3622.05,0 to 0,0 on Mechanical 1

## Text inside footprints (layer, text, board x,y; h text height)
S7: Top Overlay "ON" at -744,1224 h30 r270
U6: Top Overlay "+" at -1564.56,967.2 h30 r135